# Allegro board SG2042_EVB_V1_1.brd (continued)
## Routing (per net, layer and track width the routed paths; a pad name or vN(x,y) marks a point on that pad's centre or on a via; arc(x,y) is an arc through that point) (continued)
DDR1_MA2: length 50.2
  TOP w0.16: U1.H53 v1(161.97,127.15)
  ART10 w0.168: v1(161.97,127.15) 162.47,127.65 164.15,127.65 166.23,129.73 167.09,129.73 167.54,130.18 177.28,130.18 186.41,121.05 187.77,121.05 194.05,114.76 194.05,112.88 194.41,112.52 194.99,112.52 arc(195.31,112.46) 195.58,112.28 195.94,111.92 arc(196.21,111.74) 196.53,111.67 196.89,111.67 arc(197.21,111.61) 197.48,111.43 197.84,111.07 arc(198.11,110.89) 198.43,110.82 198.79,110.82 arc(199.11,110.76) 199.38,110.58 200.03,109.93 arc(200.28,109.56) J2.216
DDR1_MA3: length 53.6
  TOP w0.16: U1.N54 v1(163.97,122.15)
  ART05 w0.168: J2.71 193.75,109.97 193.59,109.8 193.59,107.71 193.42,107.54 193,107.54 192.83,107.71 192.83,109.8 192.66,109.97 192.25,109.97 192.08,109.8 192.08,107.71 191.91,107.54 191.49,107.54 191.32,107.71 191.32,109.8 191.16,109.97 190.74,109.97 190.57,109.8 190.57,107.71 190.4,107.54 189.98,107.54 189.81,107.71 189.81,109.8 189.65,109.97 189.23,109.97 189.06,109.8 189.06,108.22 188.89,108.05 188.47,108.05 188.31,108.22 188.31,109.8 188.14,109.97 187.49,109.97 175.31,122.15 v1(163.97,122.15)
DDR1_MA4: length 58.1
  TOP w0.089: U1.M55 164.87,122.25 165.68,122.25 166.33,121.6 171.04,121.6 180.77,111.87 181.37,111.87
  TOP w0.16: 181.37,111.87 182,111.25 182.42,111.25 182.58,111.09 182.58,110.68 182.74,110.52 183.14,110.52 183.3,110.68 183.3,111.09 183.46,111.25 183.86,111.25 184.02,111.09 184.02,110.57 184.18,110.41 184.58,110.41 184.74,110.57 184.74,111.09 184.9,111.25 185.3,111.25 185.46,111.09 185.46,110.57 185.62,110.41 186.02,110.41 186.18,110.57 186.18,111.09 186.34,111.25 186.74,111.25 186.9,111.09 186.9,109.91 187.06,109.75 187.46,109.75 187.62,109.91 187.62,111.09 187.78,111.25 188.18,111.25 188.34,111.09 188.34,109.91 188.5,109.75 188.9,109.75 189.06,109.91 189.06,111.09 189.22,111.25 189.62,111.25 189.78,111.09 189.78,109.91 189.94,109.75 190.34,109.75 190.5,109.91 190.5,111.09 190.66,111.25 191.06,111.25 191.22,111.09 191.22,109.91 191.38,109.75 191.78,109.75 191.94,109.91 191.94,111.09 192.1,111.25 192.5,111.25 192.66,111.09 192.66,109.91 192.82,109.75 193.22,109.75 193.38,109.91 193.38,111.09 193.54,111.25 193.96,111.25 194.39,110.82 195.01,110.82 arc(195.31,110.88) 195.57,111.06 195.95,111.44 arc(196.21,111.61) 196.52,111.67 196.91,111.67 arc(197.21,111.61) 197.47,111.44 197.85,111.06 arc(198.11,110.88) 198.42,110.82 J2.214
DDR1_MA5: length 46.4
  TOP w0.16: U1.G54 v1(162.97,128.15)
  ART10 w0.168: v1(162.97,128.15) 163.35,128.15 165.44,130.23 166.88,130.23 167.34,130.68 177.48,130.68 186.62,121.55 187.98,121.55 193.61,115.92 194.99,115.92 arc(195.31,115.86) 195.58,115.68 195.94,115.32 arc(196.21,115.14) 196.54,115.07 196.95,115.07 arc(197.22,115.02) 197.44,114.87 197.46,114.85 arc(197.61,114.62) 197.66,114.36 197.66,113.12 arc(197.73,112.8) 197.91,112.53 J2.213
DDR1_MA6: length 52.5
  TOP w0.16: U1.M54 v1(163.97,123.15)
  ART05 w0.168: v1(163.97,123.15) 175.31,123.15 184.9,113.56 186.25,113.56 186.42,113.4 186.42,112.54 186.59,112.37 187.01,112.37 187.18,112.54 187.18,113.4 187.34,113.56 187.76,113.56 187.93,113.4 187.93,111.84 188.1,111.67 188.52,111.67 188.68,111.84 188.68,113.4 188.85,113.56 189.27,113.56 189.44,113.4 189.44,111.84 189.61,111.67 190.03,111.67 190.19,111.84 190.19,113.4 190.36,113.56 190.78,113.56 190.95,113.4 190.95,111.84 191.11,111.67 191.53,111.67 191.7,111.84 191.7,113.4 191.87,113.56 192.29,113.56 192.46,113.4 192.46,111.84 192.62,111.67 193.04,111.67 193.21,111.84 193.21,113.19 193.38,113.36 193.8,113.36 193.96,113.19 193.96,111.84 194.13,111.67 J2.69
DDR1_MA7: length 48.3
  TOP w0.16: U1.G53 v1(161.97,128.15)
  ART10 w0.168: J2.211 199.32,113.93 arc(199.5,114.2) 199.56,114.52 199.56,115.21 arc(199.51,115.48) 199.36,115.7 199.34,115.72 arc(199.12,115.87) 198.85,115.92 198.44,115.92 arc(198.11,115.99) 197.84,116.17 197.48,116.53 arc(197.21,116.71) 196.89,116.77 196.54,116.77 arc(196.21,116.84) 195.94,117.02 195.58,117.38 arc(195.31,117.56) 194.99,117.62 192.62,117.62 188.19,122.06 186.82,122.06 177.69,131.19 167.13,131.19 166.67,130.73 165.23,130.73 163.25,128.75 162.99,128.75 162.39,128.15 v1(161.97,128.15)
DDR1_MA8: length 56.8
  TOP w0.114: U1.L55 164.97,123.15 166.13,123.15 167.31,121.97 171.19,121.97 180.84,112.33 181.82,112.33
  TOP w0.16: J2.68 193.68,112.52 193.52,112.67 193.52,113.42 193.36,113.58 192.96,113.58 192.8,113.42 192.8,112.05 192.64,111.89 192.24,111.89 192.08,112.05 192.08,113.42 191.92,113.58 191.52,113.58 191.36,113.42 191.36,112.05 191.2,111.89 190.8,111.89 190.64,112.05 190.64,113.42 190.48,113.58 190.08,113.58 189.92,113.42 189.92,112.05 189.76,111.89 189.36,111.89 189.2,112.05 189.2,113.42 189.04,113.58 188.64,113.58 188.48,113.42 188.48,112.05 188.32,111.89 187.92,111.89 187.76,112.05 187.76,113.42 187.6,113.58 187.2,113.58 187.04,113.42 187.04,112.05 186.88,111.89 186.48,111.89 186.32,112.05 186.32,113.42 186.16,113.58 185.76,113.58 185.6,113.42 185.6,112.05 185.44,111.89 185.04,111.89 184.88,112.05 184.88,113.42 184.72,113.58 184.32,113.58 184.16,113.42 184.16,112.49 184,112.33 181.82,112.33
DDR1_MA9: length 49.9
  TOP w0.16: U1.K54 v1(163.97,124.15)
  ART05 w0.168: J2.66 193.62,114.22 192.94,114.9 192.94,116.01 192.78,116.18 192.36,116.18 192.19,116.01 192.19,114.9 192.02,114.73 191.6,114.73 191.44,114.9 191.44,116.01 191.27,116.18 190.85,116.18 190.68,116.01 190.68,114.9 190.51,114.73 190.09,114.73 189.93,114.9 189.93,116.01 189.76,116.18 189.34,116.18 189.17,116.01 189.17,114.9 189,114.73 188.59,114.73 188.42,114.9 188.42,116.01 188.25,116.18 187.83,116.18 187.66,116.01 187.66,114.9 187.5,114.73 187.08,114.73 186.91,114.9 186.91,116.01 186.74,116.18 186.32,116.18 186.16,116.01 186.16,114.9 185.99,114.73 184.73,114.73 175.31,124.15 v1(163.97,124.15)
DDR1_MA10: length 58.2
  TOP w0.089: U1.P56 165.58,120.54 170.6,120.54 180.01,111.12 180.01,110.52
  TOP w0.16: J2.225 196.52,96.37 arc(196.21,96.43) 195.95,96.61 195.57,96.99 arc(195.31,97.16) 195.01,97.22 193.44,97.22 193.28,97.38 193.28,98.54 193.12,98.7 192.72,98.7 192.56,98.54 192.56,97.38 192.4,97.22 192,97.22 191.84,97.38 191.84,98.54 191.68,98.7 191.28,98.7 191.12,98.54 191.12,97.38 190.96,97.22 190.56,97.22 190.4,97.38 190.4,98.54 190.24,98.7 189.84,98.7 189.68,98.54 189.68,97.38 189.52,97.22 189.12,97.22 188.96,97.38 188.96,98.54 188.8,98.7 188.4,98.7 188.24,98.54 188.24,97.38 188.08,97.22 187.68,97.22 187.52,97.38 187.52,98.54 187.36,98.7 185.89,98.7 180.17,104.42 180.17,110.36 180.01,110.52
DDR1_MA11: length 55.7
  TOP w0.16: J2.210 198.42,114.22 arc(198.11,114.16) 197.85,113.99 197.47,113.61 arc(197.21,113.43) 196.91,113.37 196.52,113.37 arc(196.21,113.43) 195.95,113.61 195.57,113.99 arc(195.31,114.16) 195.01,114.22 184.58,114.22 183.62,115.18 183.39,115.18 182.15,113.94 181.92,113.94 181.64,114.22 181.64,114.45 182.88,115.69 182.88,115.92 182.6,116.2 182.37,116.2 181.13,114.96 180.9,114.96 180.62,115.24 180.62,115.47 181.86,116.71 181.86,116.94 181.58,117.22 181.35,117.22 180.11,115.97 179.88,115.97 179.6,116.26 179.6,116.48 180.84,117.73 180.84,117.95 180.56,118.24 180.34,118.24 179.09,116.99 178.87,116.99 178.58,117.28 178.58,117.5 179.83,118.75 179.83,118.97 179.54,119.26 179.32,119.26 177.87,117.81 177.64,117.81 172.19,123.26 167.71,123.26 167.32,123.65 U1.L56
DDR1_MA12: length 55.5
  TOP w0.16: U1.K56 167.65,124.65 167.81,124.49 167.81,124.06 167.97,123.9 168.37,123.9 168.53,124.06 168.53,124.49 168.69,124.65 169.09,124.65 169.25,124.49 169.25,124.06 169.41,123.9 169.81,123.9 169.97,124.06 169.97,124.49 170.13,124.65 173.04,124.65 173.31,124.37 173.31,124.15 172.88,123.71 172.88,123.49 173.16,123.2 173.39,123.2 174.83,124.64 175.05,124.64 175.34,124.36 175.34,124.13 173.9,122.69 173.9,122.47 174.18,122.18 174.41,122.18 175.85,123.62 176.07,123.62 176.36,123.34 176.36,123.11 174.92,121.68 174.92,121.45 175.2,121.17 175.43,121.17 176.86,122.6 177.09,122.6 177.37,122.32 177.37,122.09 175.94,120.66 175.94,120.43 176.22,120.15 176.45,120.15 177.88,121.59 178.11,121.59 178.39,121.3 178.39,121.08 176.95,119.64 176.95,119.41 177.24,119.13 177.46,119.13 178.9,120.57 179.14,120.57 184.78,114.92 194.81,114.92 J2.65
DDR1_MA13: length 54.4
  TOP w0.16: U1.R54 v1(163.97,120.15)
  ART05 w0.168: J2.232 198.43,90.42 arc(198.11,90.49) 197.84,90.67 197.48,91.03 arc(197.21,91.21) 196.89,91.27 196.53,91.27 arc(196.21,91.34) 195.94,91.52 195.58,91.88 arc(195.31,92.06) 194.99,92.12 194.34,92.12 192.41,94.06 192.41,102.8 175.06,120.15 v1(163.97,120.15)
DDR1_MA14: length 61.5
  TOP w0.16: U1.M51 v1(160.97,123.15)
  ART10 w0.089: 167.98,125.01 166.24,123.27 164.67,123.27 164.17,122.77 161.35,122.77 v1(160.97,123.15)
  ART10 w0.168: J2.228 198.44,93.82 arc(198.11,93.89) 197.84,94.07 197.48,94.43 arc(197.21,94.61) 196.89,94.67 196.53,94.67 arc(196.21,94.61) 195.94,94.43 195.74,94.22 arc(195.47,94.04) 195.15,93.98 194.68,93.98 194.58,94.07 194.14,94.07 189.5,98.71 189.5,108.34 188.89,108.96 188.89,111.24 175.12,125.01 167.98,125.01
DDR1_MA15: length 57.8
  TOP w0.16: U1.N51 v1(160.97,122.15)
  ART10 w0.089: 167.98,124.01 166.22,122.25 164.69,122.25 164.19,121.74 161.38,121.74 v1(160.97,122.15)
  ART10 w0.168: 167.98,124.01 174.7,124.01 187.88,110.83 187.88,108.54 188.5,107.92 188.5,97.99 194.37,92.12 J2.86
DDR1_MA16: length 55.1
  TOP w0.16: U1.M52 v1(161.97,123.15)
  ART10 w0.089: v1(161.97,123.15) 162.35,123.52 165.99,123.52 167.98,125.52
  ART10 w0.168: J2.82 194.37,95.52 190.01,99.88 190.01,108.55 189.39,109.17 189.39,111.45 175.32,125.52 167.98,125.52
DDR1_MA17: length 59.6
  TOP w0.114: 179.53,110.03 179.53,111.08 170.44,120.17 164.99,120.17 U1.R55
  TOP w0.16: J2.234 198.42,88.72 arc(198.11,88.78) 197.85,88.96 197.47,89.34 arc(197.21,89.51) 196.91,89.57 196.52,89.57 arc(196.21,89.63) 195.95,89.81 195.57,90.19 arc(195.31,90.36) 195.01,90.42 193.26,90.42 191.93,91.76 191.93,91.98 192.42,92.47 192.42,92.7 192.14,92.98 191.91,92.98 191.42,92.49 191.19,92.49 190.91,92.77 190.91,93 191.4,93.49 191.4,93.72 191.12,94 190.89,94 190.4,93.51 190.18,93.51 189.89,93.79 189.89,94.02 190.38,94.51 190.38,94.73 190.1,95.02 189.87,95.02 189.38,94.53 189.16,94.53 188.87,94.81 188.87,95.04 189.36,95.53 189.36,95.75 189.08,96.04 188.85,96.04 188.36,95.55 188.14,95.55 179.53,104.16 179.53,110.03
DDR1_ODT0: length 57.3
  TOP w0.16: U1.N50 v1(159.97,122.15)
  ART10 w0.089: v1(159.97,122.15) 160.57,121.55 164.43,121.55 164.76,121.88 166.36,121.88 167.98,123.5
  ART10 w0.168: 167.98,123.5 174.49,123.5 187.38,110.62 187.38,108.33 187.99,107.72 187.99,97.65 194.38,91.27 J2.87
DDR1_ODT1: length 57.2
  TOP w0.16: U1.P52 v1(161.97,121.15)
  ART10 w0.089: 167.98,122.5 166.63,121.15 165.02,121.15 164.39,120.52 162.6,120.52 v1(161.97,121.15)
  ART10 w0.168: J2.91 186.99,95.85 186.99,107.3 186.37,107.92 186.37,110.2 174.07,122.5 167.98,122.5
DDR1_PAR: length 57.9
  TOP w0.16: U1.L50 v1(159.97,124.15)
  ART10 w0.089: 167.98,127.02 165.7,124.74 160.57,124.74 v1(159.97,124.15)
  ART10 w0.168: 167.98,127.02 175.95,127.02 190.9,112.08 190.9,109.79 191.51,109.18 191.51,104.67 196.51,99.68 199.25,99.68 arc(199.57,99.62) 199.85,99.44 J2.222
DDR1_PLL_TESTOUT_N: length 1.4
  TOP w0.16: U1.M49 v1(158.97,123.15)
  BOTTOM w0.109: T20.1 v1(158.97,123.15)
DDR1_PLL_TESTOUT_P: length 1.4
  TOP w0.16: U1.M48 v1(157.97,123.15)
  BOTTOM w0.109: T19.1 v1(157.97,123.15)
DDR1_RESET_N: length 52.3
  TOP w0.16: T15.1 211.23,122.26 210.27,122.26 210.05,122.03 209.63,122.03 arc(209.32,121.97) 209.06,121.8 208.64,121.38 arc(208.43,121.23) 208.17,121.18 208.03,121.18 arc(207.72,121.24) 207.46,121.42 207.24,121.64 arc(206.98,121.81) 206.68,121.87 205.92,121.87 arc(205.61,121.93) 205.35,122.11 204.97,122.49 arc(204.71,122.66) 204.4,122.72 203.12,122.72 arc(202.81,122.66) 202.55,122.49 202.17,122.11 arc(201.91,121.93) 201.61,121.87 200.32,121.87 arc(200.01,121.81) 199.75,121.64 199.37,121.26 arc(199.11,121.08) 198.81,121.02 J2.58 194.61,121.02 194.39,120.8 187.56,120.8 180.52,127.85 166.82,127.85 166.52,128.15 164.97,128.15 U1.F55
DDR1_VDDPLL: length 1
  BOTTOM w0.381: FB16.1 150.57,111.55 C1454.1
  vias: v1(150.47,111.65)
DDR01_VDDQ_1V2: length 274.8
  TOP w0.102: R630.2 v1(237.67,205.92)
  TOP w0.254: C3154.1 221.44,108.69 C1422.1 221.44,109.98 222.03,110.57 U47.2 ; C3154.1 v1(222.43,108.46) ; C3154.1 221.01,107.8 R445.1 ; T75.1 v1(228.27,104.9)
  TOP w0.381: U1.AF46 v1(155.97,109.15) ; U1.BA45 v1(154.97,93.15) ; U1.BE47 v1(156.97,89.15) ; U1.BA47 v1(156.97,93.15) ; U1.AJ47 v1(156.97,105.15) ; U1.BH46 v1(155.97,86.15) ; U1.W45 v1(154.97,116.15) ; U1.AW45 v1(154.97,95.15) ; U1.AV46 v1(155.97,96.15) ; U1.P46 v1(155.97,121.15) ; U1.BC49 v1(158.97,91.15) ; U1.AM46 v1(155.97,102.15) ; U1.BG49 v1(158.97,87.15) ; U1.K48 v1(157.97,125.15) ; U1.AE45 v1(154.97,110.15) ; U1.J49 v1(158.97,126.15) ; U1.AC47 v1(156.97,112.15) ; U1.AA47 v1(156.97,114.15) ; U1.AT48 v1(157.97,98.15) ; U1.W47 v1(156.97,116.15) ; U1.N52 v1(160.97,121.15) ; U1.BE49 v1(158.97,89.15) ; U1.M46 v1(155.97,123.15) ; U1.K46 v1(155.97,125.15) ; U1.L49 v1(158.97,124.15) ; U1.J45 v1(154.97,126.15) ; U1.BG47 v1(156.97,87.15) ; U1.AD46 v1(155.97,111.15) ; U1.T46 v1(155.97,119.15) ; U1.V46 v1(155.97,117.15) ; U1.BF52 v1(161.97,88.15) ; U1.AR45 v1(154.97,99.15) ; U1.R45 v1(154.97,120.15) ; U1.BD53 v1(162.97,90.15) ; U1.AW51 v1(160.97,95.15) ; U1.AU45 v1(154.97,97.15) ; U1.AN45 v1(154.97,101.15) ; U1.BH48 v1(157.97,86.15) ; U1.Y46 v1(155.97,115.15) ; U1.AH46 v1(155.97,107.15) ; U1.L51 v1(160.97,124.15) ; U1.N55 v1(163.97,121.15) ; U1.AK46 v1(155.97,104.15) ; U1.U47 v1(156.97,118.15) ; U1.AU47 v1(156.97,97.15) ; U1.AP48 v1(157.97,100.15) ; U1.R50 v1(159.97,119.15) ; U1.AG45 v1(154.97,108.15) ; U1.AG47 v1(156.97,108.15) ; U1.K53 v1(162.97,125.15) ; U1.BD50 v1(159.97,90.15) ; U1.AA45 v1(154.97,114.15) ; U1.BC47 v1(156.97,91.15) ; U1.AU49 v1(158.97,97.15) ; U1.BC45 v1(154.97,91.15) ; U1.J47 v1(156.97,126.15) ; U1.AE47 v1(156.97,110.15) ; U1.BF46 v1(155.97,88.15) ; U1.BB51 v1(160.97,92.15) ; U1.R53 v1(161.97,119.15) ; U1.L47 v1(156.97,124.15) ; U1.BB46 v1(155.97,92.15) ; U1.V48 v1(157.97,117.15) ; U1.L54 v1(162.97,123.15) ; U1.AW47 v1(156.97,95.15) ; U1.J56 v1(165.9,125.65) ; U1.U45 v1(154.97,118.15) ; U1.AW49 v1(158.97,95.15) ; U1.AY46 v1(155.97,94.15) ; U1.L45 v1(154.97,124.15) ; U1.AP46 v1(155.97,100.15) ; U1.R47 v1(156.97,120.15) ; U1.BF55 v1(164.97,88.15) ; U1.AB46 v1(155.97,113.15) ; U1.BE45 v1(154.97,89.15) ; U1.AT46 v1(155.97,98.15) ; U1.BF48 v1(157.97,88.15) ; U1.N47 v1(156.97,122.15) ; U1.AV48 v1(157.97,96.15) ; U1.AC45 v1(154.97,112.15) ; U1.BD46 v1(155.97,90.15) ; U1.N45 v1(154.97,122.15) ; U1.AJ45 v1(154.97,105.15) ; U1.AL47 v1(156.97,103.15) ; U1.N49 v1(158.97,122.15) ; U1.AR47 v1(156.97,99.15) ; U1.AL45 v1(154.97,103.15) ; U1.AN47 v1(156.97,101.15)
  ART10 w0.102: v1(229.14,106.63) 229.62,107.11 229.62,119.59 236.14,126.12 236.14,189.16 236.73,189.75 236.73,206.02 236.96,206.25 237.34,206.25 v1(237.67,205.92)
  BOTTOM w0.102: U61.5 227.03,95.23 227.03,95.55 226.95,95.63 226.95,95.99 225.48,97.47 225.48,97.99 225.58,98.09 R2176.1
  BOTTOM w0.381: C237.2 v1(160.97,95.15) ; C267.2 v1(161.97,88.15) ; C204.2 v1(156.97,114.15) C203.2 v1(155.97,115.15) C198.2 v1(154.97,116.15) ; v1(154.97,120.15) C192.2 v1(155.97,119.15) C196.2 v1(156.97,118.15) C197.2 ; C214.2 v1(154.97,105.15) ; v1(154.97,108.15) C213.2 v1(155.97,107.15) C215.2 ; C250.2 v1(155.97,88.15) C251.2 v1(156.97,89.15) C246.2 ; C219.2 v1(156.97,103.15) C221.2 v1(155.97,102.15) C220.2 v1(154.97,101.15) ; C249.2 v1(159.97,90.15) C248.2 v1(158.97,89.15) C253.2 v1(157.97,88.15) C252.2 v1(156.97,87.15) C255.2 v1(155.97,86.15) ; v1(154.97,97.15) C227.2 v1(155.97,98.15) C228.2 v1(156.97,99.15) C225.2 v1(157.97,100.15) C226.2 ; v1(154.97,93.15) C238.2 v1(155.97,94.15) C239.2 v1(156.97,95.15) C234.2 v1(157.97,96.15) C235.2 v1(158.97,97.15) C231.2 ; C200.2 v1(156.97,116.15) C199.2 v1(155.97,117.15) C195.2 v1(154.97,118.15) ; C257.2 v1(162.97,125.15) ; v1(158.97,124.15) C188.2 v1(157.97,125.15) C183.2 v1(156.97,126.15) C182.2 ; C207.2 v1(156.97,112.15) C206.2 v1(155.97,113.15) C202.2 v1(154.97,114.15) ; FB15.2 v1(151.97,114.15) ; C187.2 v1(156.97,124.15) C186.2 v1(155.97,125.15) C181.2 v1(154.97,126.15) ; v1(151.97,106.15) FB13.2 ; C211.2 v1(156.97,108.15) C212.2 v1(155.97,109.15) C208.2 v1(154.97,110.15) ; C230.2 v1(157.97,98.15) C229.2 v1(156.97,97.15) C233.2 v1(155.97,96.15) C232.2 v1(154.97,95.15) ; C194.2 v1(156.97,120.15) C193.2 v1(155.97,121.15) C189.2 v1(154.97,122.15) ; v1(154.97,91.15) C241.2 v1(155.97,92.15) C242.2 v1(156.97,93.15) C240.2 ; C266.2 v1(162.97,90.15) ; v1(154.97,103.15) C217.2 v1(155.97,104.15) C218.2 v1(156.97,105.15) C216.2 ; v1(154.97,89.15) C244.2 v1(155.97,90.15) C245.2 v1(156.97,91.15) C243.2 ; C254.2 v1(158.97,87.15) C256.2 v1(157.97,86.15) ; C265.2 v1(160.97,92.15) ; C261.2 v1(160.97,121.15) ; v1(154.97,124.15) C185.2 v1(155.97,123.15) C190.2 v1(156.97,122.15) C191.2 ; C258.2 v1(160.97,124.15) ; C222.2 v1(156.97,101.15) C224.2 v1(155.97,100.15) C223.2 v1(154.97,99.15) ; C184.2 v1(158.97,126.15) ; C236.2 v1(158.97,95.15) ; C260.2 v1(158.97,122.15) ; C210.2 v1(156.97,110.15) C209.2 v1(155.97,111.15) C205.2 v1(154.97,112.15) ; C264.2 v1(161.97,119.15) ; C263.2 v1(159.97,119.15) ; C201.2 v1(157.97,117.15) ; C259.2 v1(162.97,123.15) ; C247.2 v1(158.97,91.15) ; C262.2 v1(163.97,121.15)
  vias: v1(227.41,106.63) v1(227.41,105.77) v1(227.41,104.9) v1(228.27,106.63) v1(228.27,105.77) v1(229.14,105.77) v1(229.14,104.9)
DDR01_VDDQ_1V2_DIMM: length 332.8
  TOP w0.102: R2175.1 216.64,97.46 216.74,97.56 216.74,98 218.41,99.67 220.03,99.67 220.5,100.13 220.5,100.44 221.66,101.6 222.45,101.6 222.58,101.73 222.58,102.07 U62.5
  TOP w0.254: J2.215 199.42,109.97 ; J2.215 198.1,109.97 ; J2.215 198.76,109.31 ; J1.64 206.62,115.92 ; J1.64 205.96,115.26 ; J1.64 205.96,116.58 ; J1.64 205.3,115.92 ; R491.2 v1(213.33,162.64) ; J1.215 208.82,109.97 ; J1.215 207.5,109.97 ; J1.215 208.16,109.31 ; J1.215 208.16,110.63 ; 204.36,119.51 J1.59 ; J1.59 205.02,120.17 ; J1.59 203.7,120.17 ; J1.59 204.36,120.83 ; 198.76,107.61 J2.217 ; J2.217 198.1,108.27 ; J2.217 199.42,108.27 ; J2.217 198.76,108.93 ; 201.9,119.38 C27.1 ; C27.1 202.36,119.84 ; C27.1 202.82,119.38 ; 201.9,92.38 C32.1 ; C32.1 202.82,92.38 ; C32.1 202.36,92.84 ; C12.1 211.76,92.84 ; C12.1 211.3,92.38 ; C12.1 212.22,92.38 ; 209.76,86.36 J1.236 ; J1.236 209.76,87.68 ; J1.236 209.1,87.02 ; J1.236 210.42,87.02 ; J2.212 200.36,113.18 ; J2.212 201.02,112.52 ; J2.212 199.7,112.52 ; J2.212 200.36,111.86 ; 197.22,90.42 J2.88 196.56,91.08 ; C9.1 212.22,111.46 ; C9.1 211.76,111.91 ; C9.1 211.3,111.46 ; 194.96,107.61 J2.73 195.62,108.27 ; J1.209 208.16,115.73 ; J1.209 208.16,114.41 ; J1.209 207.5,115.07 ; J1.209 208.82,115.07 ; J2.226 200.36,96.18 ; J2.226 201.02,95.52 ; J2.226 200.36,94.86 ; J2.226 199.7,95.52 ; J1.70 206.62,110.82 ; J1.70 205.96,110.16 ; J1.70 205.3,110.82 ; J1.70 205.96,111.48 ; 205.3,90.42 J1.88 ; J1.88 205.96,89.76 ; J1.88 206.62,90.42 ; J1.88 205.96,91.08 ; 200.36,86.36 J2.236 ; J2.236 200.36,87.68 ; J2.236 201.02,87.02 ; J2.236 199.7,87.02 ; J1.92 205.96,87.68 ; J1.92 205.3,87.02 ; J1.92 206.62,87.02 ; J1.92 205.96,86.36 ; 208.16,92.31 J1.229 ; J1.229 208.16,93.63 ; J1.229 208.82,92.97 ; J1.229 207.5,92.97 ; C29.1 202.82,111.46 ; C29.1 202.36,111.91 ; C29.1 201.9,111.46 ; 207.5,98.07 J1.223 ; J1.223 208.16,98.73 ; J1.223 208.16,97.41 ; J1.223 208.82,98.07 ; 211.3,95.89 C11.1 ; C11.1 212.22,95.89 ; C11.1 211.76,96.34 ; 194.96,94.01 J2.83 ; J2.83 195.62,94.67 ; J2.83 194.96,95.33 ; J1.61 204.36,119.13 ; J1.61 205.02,118.47 ; J1.61 203.7,118.47 ; J1.61 204.36,117.81 ; J2.85 195.62,92.97 ; J2.85 194.96,92.31 ; J2.85 194.96,93.63 ; C28.1 202.82,114.1 ; C28.1 201.9,114.1 ; C28.1 202.36,114.55 ; 198.76,90.61 J2.231 ; J2.231 199.42,91.27 ; J2.231 198.76,91.93 ; J2.231 198.1,91.27 ; C31.1 202.82,95.89 ; C31.1 202.36,96.34 ; C31.1 201.9,95.89 ; J1.231 208.16,91.93 ; J1.231 207.5,91.27 ; J1.231 208.16,90.61 ; J1.231 208.82,91.27 ; J1.90 205.96,89.38 ; J1.90 206.62,88.72 ; J1.90 205.3,88.72 ; J1.90 205.96,88.06 ; J2.233 199.42,89.57 ; J2.233 198.1,89.57 ; J2.233 198.76,90.23 ; 198.1,98.07 J2.223 ; J2.223 198.76,98.73 ; J2.223 198.76,97.41 ; J2.223 199.42,98.07 ; J2.92 196.56,87.68 ; J2.92 197.22,87.02 ; J2.92 196.56,86.36 ; J2.92 195.9,87.02 ; R489.2 v1(213.33,164.67) ; J2.229 199.42,92.97 ; J2.229 198.76,93.63 ; J2.229 198.1,92.97 ; J2.229 198.76,92.31 ; J1.226 210.42,95.52 ; J1.226 209.76,94.86 ; J1.226 209.1,95.52 ; J1.226 209.76,96.18 ; 195.9,88.72 J2.90 ; J2.90 196.56,88.06 ; J2.90 197.22,88.72 ; R2242.2 202.36,117.2 ; R2242.2 202.82,116.74 ; R2242.2 201.9,116.74 ; 209.76,111.86 J1.212 ; J1.212 209.76,113.18 ; J1.212 209.1,112.52 ; J1.212 210.42,112.52 ; J1.233 208.82,89.57 ; J1.233 208.16,88.91 ; J1.233 208.16,90.23 ; J1.233 207.5,89.57 ; 197.22,110.82 J2.70 196.56,110.16 ; J2.206 200.36,118.28 ; J2.206 199.7,117.62 ; J2.206 201.02,117.62 ; J2.206 200.36,116.96 ; J1.80 205.96,97.88 ; J1.80 206.62,97.22 ; J1.80 205.3,97.22 ; J1.80 205.96,96.56 ; 203.7,92.97 J1.85 ; J1.85 205.02,92.97 ; J1.85 204.36,92.31 ; J1.85 204.36,93.63 ; C33.1 202.82,88.87 ; C33.1 202.36,89.33 ; C33.1 201.9,88.87 ; 211.3,116.74 R2241.2 ; R2241.2 211.76,117.2 ; R2241.2 212.22,116.74 ; 207.5,108.27 J1.217 ; J1.217 208.82,108.27 ; J1.217 208.16,108.93 ; J1.217 208.16,107.61 ; C13.1 211.76,89.33 ; C13.1 211.3,88.87 ; C13.1 212.22,88.87 ; J1.83 204.36,95.33 ; J1.83 204.36,94.01 ; J1.83 205.02,94.67 ; J1.83 203.7,94.67 ; 211.3,108.81 C10.1 ; C10.1 212.22,108.81 ; C10.1 211.76,109.27 ; J1.67 204.36,114.03 ; J1.67 205.02,113.37 ; J1.67 204.36,112.71 ; J1.67 203.7,113.37 ; J1.206 210.42,117.62 ; J1.206 209.1,117.62 ; J1.206 209.76,118.28 ; J1.206 209.76,116.96 ; C7.1 211.76,119.84 ; C7.1 211.3,119.38 ; C7.1 212.22,119.38 ; J1.73 204.36,108.93 ; J1.73 205.02,108.27 ; J1.73 203.7,108.27 ; J1.73 204.36,107.61 ; J2.204 201.02,119.32 ; J2.204 200.36,119.98 ; J2.204 200.36,118.66 ; J2.204 199.7,119.32 ; 209.1,119.32 J1.204 ; J1.204 209.76,119.98 ; J1.204 209.76,118.66 ; J1.204 210.42,119.32 ; C8.1 212.24,114.1 ; C8.1 211.33,114.1 ; C8.1 211.79,114.55 ; 196.56,97.88 J2.80 197.22,97.22 ; 201.9,108.81 C30.1 ; C30.1 202.36,109.27 ; C30.1 202.82,108.81
  TOP w0.508: J2.61 195.73,118.47 ; J2.209 199.53,115.07
  PWR07 w0.254: 207.5,91.27 J1.231 ; J1.231 208.16,91.93 ; J1.231 208.16,90.61 ; J1.231 208.82,91.27 ; J1.236 210.42,87.02 ; J1.236 209.76,86.36 ; J1.236 209.1,87.02 ; J1.236 209.76,87.68 ; 198.76,109.31 J2.215 ; J2.215 199.42,109.97 ; J2.215 198.76,110.63 ; J2.215 198.1,109.97 ; 198.76,88.91 J2.233 ; J2.233 199.42,89.57 ; J2.233 198.1,89.57 ; J2.233 198.76,90.23 ; J1.226 209.76,96.18 ; J1.226 209.1,95.52 ; J1.226 210.42,95.52 ; J1.226 209.76,94.86 ; 198.76,97.41 J2.223 ; J2.223 198.1,98.07 ; J2.223 198.76,98.73 ; J2.223 199.42,98.07 ; 196.56,86.36 J2.92 ; J2.92 195.9,87.02 ; J2.92 197.22,87.02 ; J2.92 196.56,87.68 ; 205.3,90.42 J1.88 ; J1.88 205.96,91.08 ; J1.88 205.96,89.76 ; J1.88 206.62,90.42 ; J1.92 206.62,87.02 ; J1.92 205.96,87.68 ; J1.92 205.96,86.36 ; J1.92 205.3,87.02 ; J1.204 210.42,119.32 ; J1.204 209.1,119.32 ; J1.204 209.76,119.98 ; J1.204 209.76,118.66 ; J1.223 208.82,98.07 ; J1.223 208.16,98.73 ; J1.223 208.16,97.41 ; J1.223 207.5,98.07 ; 199.7,117.62 J2.206 ; J2.206 201.02,117.62 ; J2.206 200.36,116.96 ; J2.206 200.36,118.28 ; 203.7,108.27 J1.73 ; J1.73 204.36,108.93 ; J1.73 205.02,108.27 ; J1.73 204.36,107.61 ; 209.76,111.86 J1.212 ; J1.212 209.1,112.52 ; J1.212 210.42,112.52 ; J1.212 209.76,113.18 ; J2.76 197.22,105.72 ; J2.76 196.56,105.06 ; J2.76 196.56,106.38 ; J2.76 195.9,105.72 ; 207.5,108.27 J1.217 ; J1.217 208.16,107.61 ; J1.217 208.16,108.93 ; J1.217 208.82,108.27 ; 207.5,109.97 J1.215 ; J1.215 208.16,110.63 ; J1.215 208.16,109.31 ; J1.215 208.82,109.97 ; J2.83 195.62,94.67 ; J2.83 194.96,95.33 ; J2.83 194.96,94.01 ; J2.83 194.3,94.67 ; 204.36,117.81 J1.61 ; J1.61 204.36,119.13 ; J1.61 205.02,118.47 ; J1.61 203.7,118.47 ; J1.220 209.76,106.38 ; J1.220 209.76,105.06 ; J1.220 210.42,105.72 ; J1.220 209.1,105.72 ; J2.229 198.76,93.63 ; J2.229 199.42,92.97 ; J2.229 198.76,92.31 ; J2.229 198.1,92.97 ; J1.80 205.96,97.88 ; J1.80 205.96,96.56 ; J1.80 206.62,97.22 ; J1.80 205.3,97.22 ; J2.64 197.22,115.92 ; J2.64 195.9,115.92 ; J2.64 196.56,116.58 ; J2.64 196.56,115.26 ; 198.1,91.27 J2.231 ; J2.231 199.42,91.27 ; J2.231 198.76,90.61 ; J2.231 198.76,91.93 ; 199.7,95.52 J2.226 ; J2.226 201.02,95.52 ; J2.226 200.36,96.18 ; J2.226 200.36,94.86 ; 203.7,120.17 J1.59 ; J1.59 204.36,119.51 ; J1.59 205.02,120.17 ; J1.59 204.36,120.83 ; 208.16,114.41 J1.209 ; J1.209 207.5,115.07 ; J1.209 208.16,115.73 ; J1.209 208.82,115.07 ; 205.96,110.16 J1.70 ; J1.70 206.62,110.82 ; J1.70 205.3,110.82 ; J1.70 205.96,111.48 ; J1.64 205.96,116.58 ; J1.64 205.3,115.92 ; J1.64 205.96,115.26 ; J1.64 206.62,115.92 ; 207.5,89.57 J1.233 ; J1.233 208.82,89.57 ; J1.233 208.16,90.23 ; J1.233 208.16,88.91 ; J2.70 197.22,110.82 ; J2.70 196.56,110.16 ; J2.70 196.56,111.48 ; J2.70 195.9,110.82 ; J2.61 194.96,119.13 ; J2.61 194.96,117.81 ; J2.61 194.3,118.47 ; J2.61 195.62,118.47 ; J2.220 200.36,106.38 ; J2.220 199.7,105.72 ; J2.220 200.36,105.06 ; J2.220 201.02,105.72 ; J1.85 205.02,92.97 ; J1.85 204.36,92.31 ; J1.85 204.36,93.63 ; J1.85 203.7,92.97 ; J2.67 194.96,114.03 ; J2.67 194.3,113.37 ; J2.67 194.96,112.71 ; J2.67 195.62,113.37 ; 195.9,90.42 J2.88 ; J2.88 196.56,89.76 ; J2.88 196.56,91.08 ; J2.88 197.22,90.42 ; 199.7,87.02 J2.236 ; J2.236 201.02,87.02 ; J2.236 200.36,86.36 ; J2.236 200.36,87.68 ; J2.85 194.96,93.63 ; J2.85 194.96,92.31 ; J2.85 195.62,92.97 ; J2.85 194.3,92.97 ; J2.73 194.96,108.93 ; J2.73 195.62,108.27 ; J2.73 194.3,108.27 ; J2.73 194.96,107.61 ; J1.83 204.36,95.33 ; J1.83 205.02,94.67 ; J1.83 204.36,94.01 ; J1.83 203.7,94.67 ; 205.96,88.06 J1.90 ; J1.90 206.62,88.72 ; J1.90 205.3,88.72 ; J1.90 205.96,89.38 ; 198.76,107.61 J2.217 ; J2.217 199.42,108.27 ; J2.217 198.1,108.27 ; J2.217 198.76,108.93 ; J1.229 208.82,92.97 ; J1.229 208.16,93.63 ; J1.229 208.16,92.31 ; J1.229 207.5,92.97 ; J2.209 198.76,115.73 ; J2.209 199.42,115.07 ; J2.209 198.1,115.07 ; J2.209 198.76,114.41 ; J2.59 194.96,120.83 ; J2.59 194.3,120.17 ; J2.59 194.96,119.51 ; J2.59 195.62,120.17 ; 209.76,116.96 J1.206 ; J1.206 209.1,117.62 ; J1.206 209.76,118.28 ; J1.206 210.42,117.62 ; J2.212 201.02,112.52 ; J2.212 200.36,113.18 ; J2.212 200.36,111.86 ; J2.212 199.7,112.52 ; J2.80 196.56,97.88 ; J2.80 197.22,97.22 ; J2.80 195.9,97.22 ; J2.80 196.56,96.56 ; J2.90 196.56,89.38 ; J2.90 195.9,88.72 ; J2.90 197.22,88.72 ; J2.90 196.56,88.06 ; J1.67 205.02,113.37 ; J1.67 203.7,113.37 ; J1.67 204.36,112.71 ; J1.67 204.36,114.03 ; J2.204 201.02,119.32 ; J2.204 200.36,119.98 ; J2.204 199.7,119.32 ; J2.204 200.36,118.66 ; 205.96,105.06 J1.76 ; J1.76 205.96,106.38 ; J1.76 205.3,105.72 ; J1.76 206.62,105.72
  ART10 w0.254: v1(213.64,110.97) 212.57,112.04 212.57,124.61 213.33,125.37 v1(213.33,162.64) v1(213.33,164.67)
  vias: v1(213.06,95.4) v1(213.06,94.54) v1(213.64,110.11) v1(213.92,95.4) v1(213.92,94.54) v1(214.5,110.97) v1(214.5,110.11) v1(214.78,95.4) v1(214.78,94.54) v1(215.37,110.97) v1(215.37,110.11)
